# KiCad board mtt_final.kicad_pcb (continued)
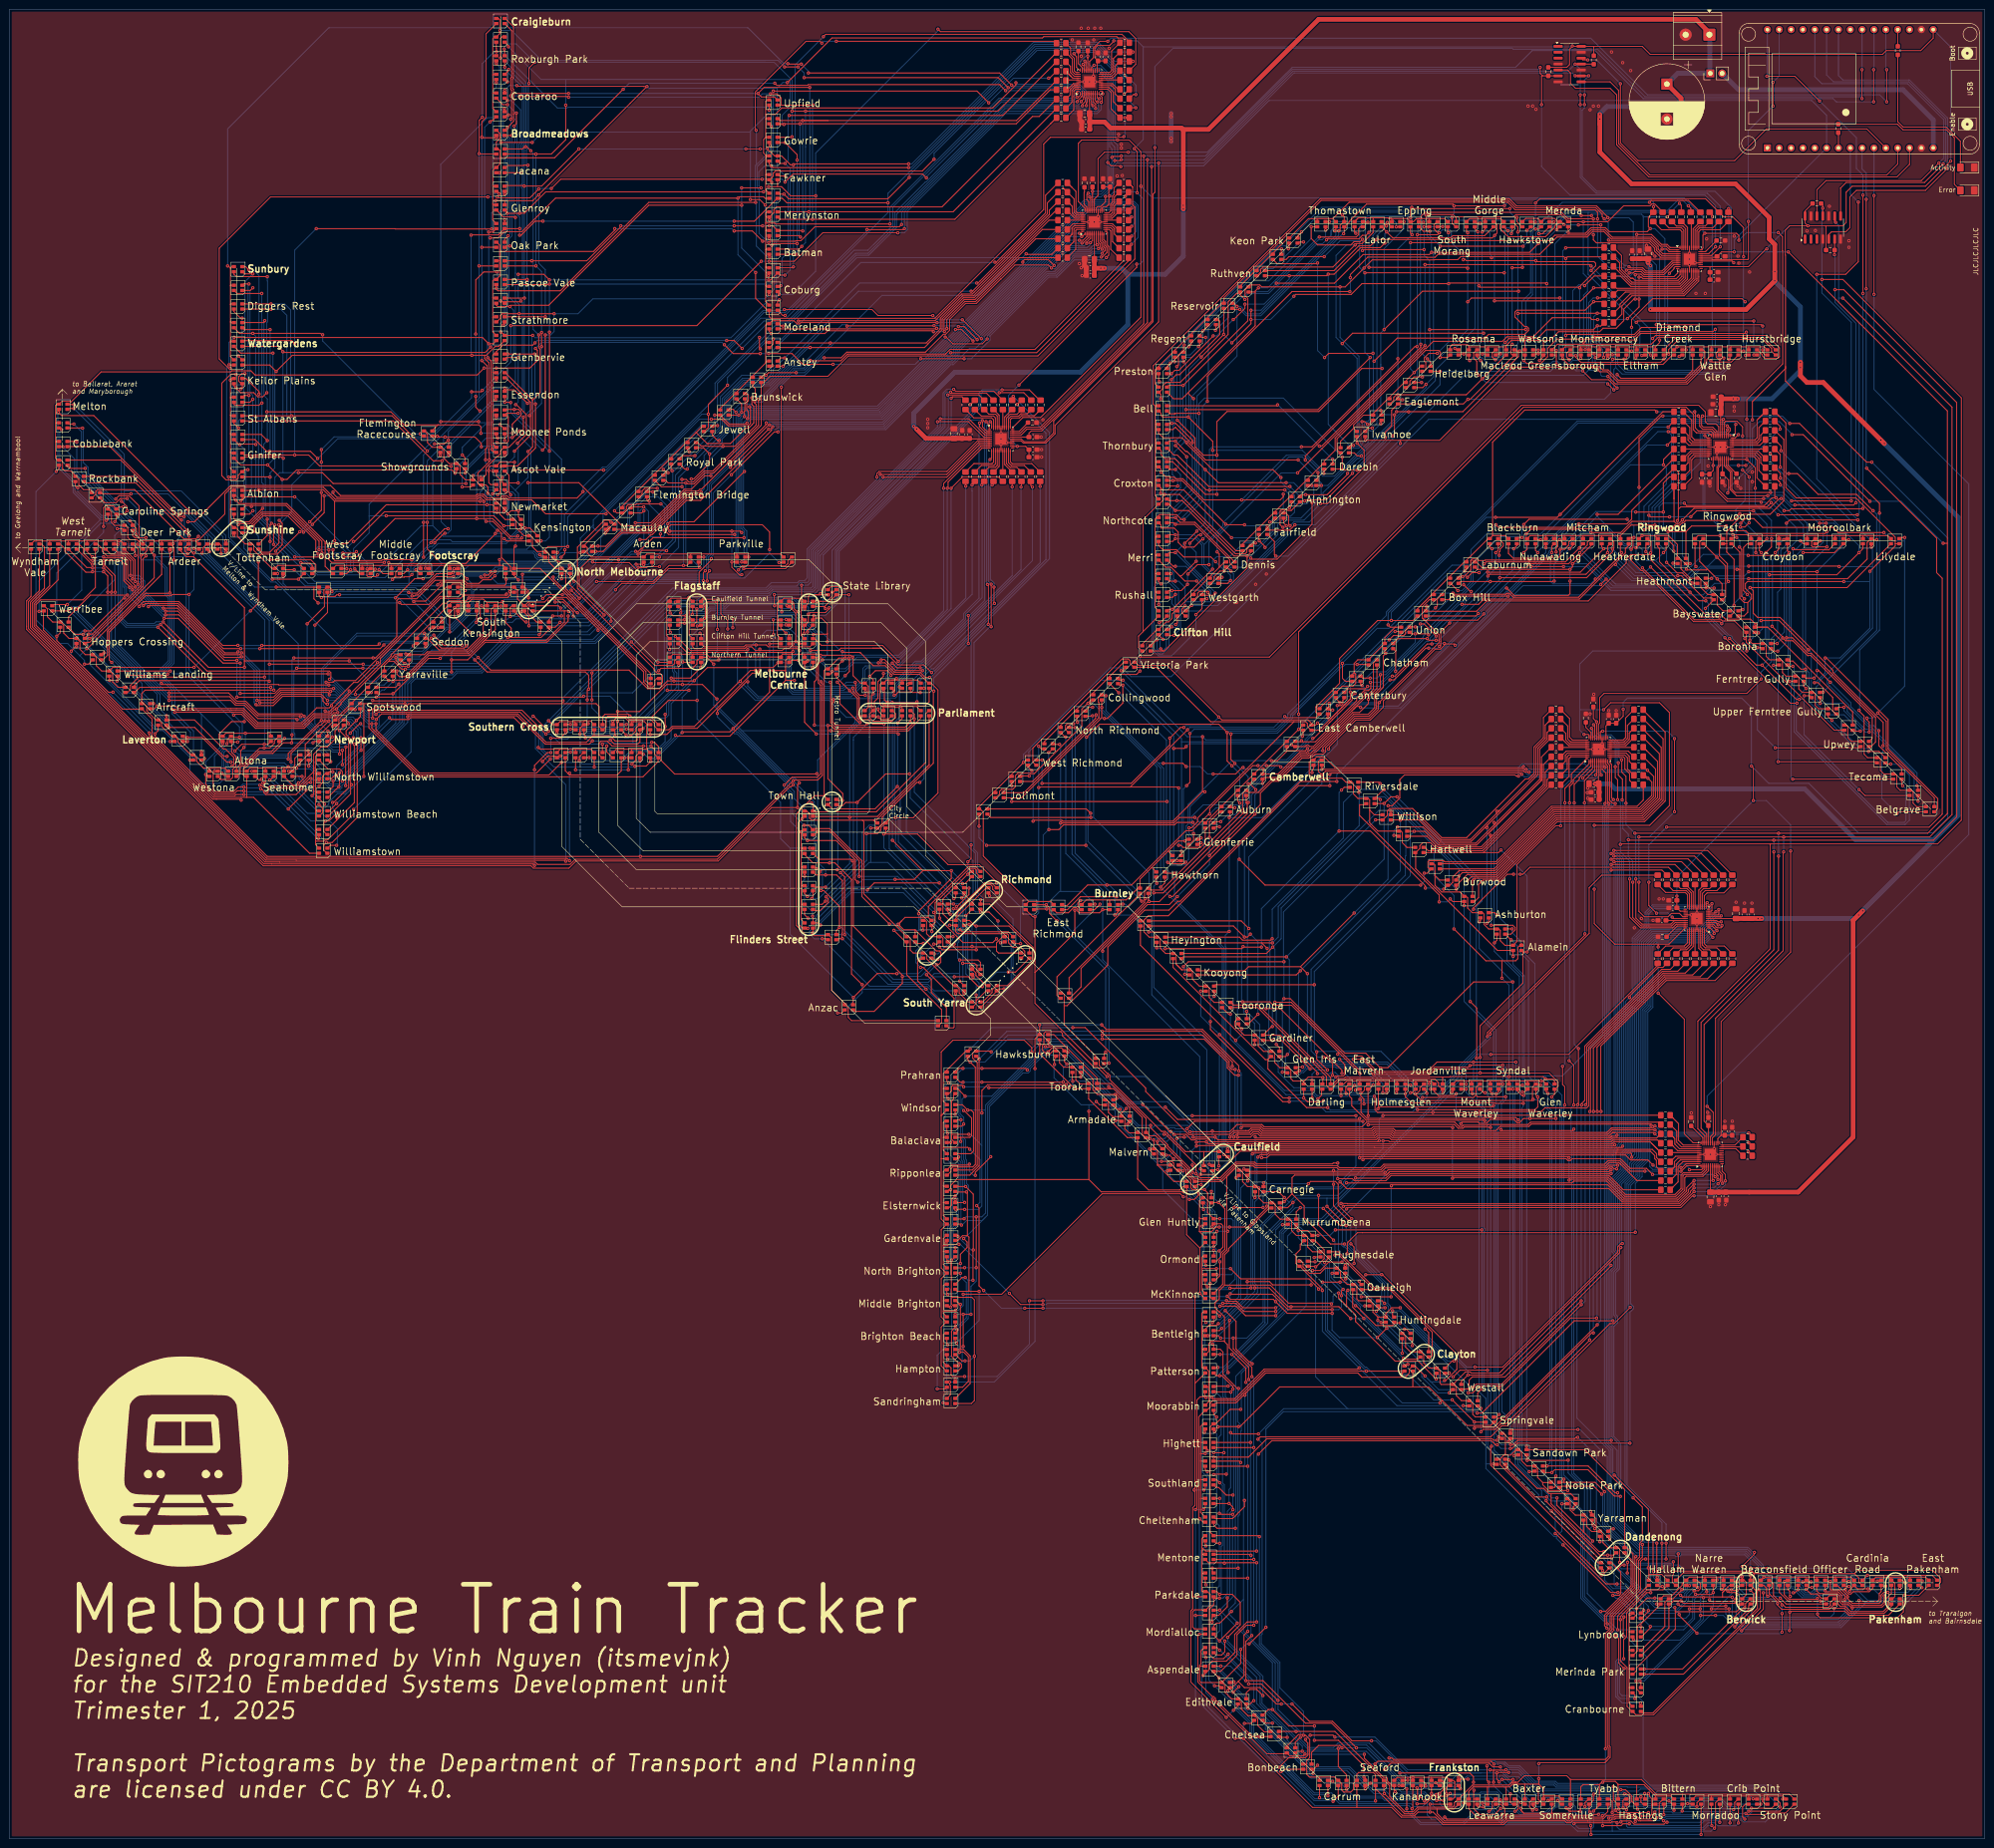
[diagram p0: board, top side]
## Routing (per net, layer and track width the routed paths; a pad name or vN(x,y) marks a point on that pad's centre or on a via; arc(x,y) is an arc through that point) (continued)
  Bottom w0.2: v1(346.2,36.5) 350.4,36.5 v1(350.5,36.4) ; v1(393.5,51.3) 393.5,48.45 392.15,47.1 373.4,47.1 372.04,48.46 v1(372.04,49.53) ; v1(318.93,220.4) v1(318.93,198.15) 321.07,196 321.07,188.28 324.4,184.96 v1(324.4,161.68) 325.3,160.77 325.3,85.3 325.3,85.3 v1(325.3,84.2) ; v1(288.33,198.58) 295.58,205.84 295.58,219.78 v1(296.2,220.4) ; v1(300.4,161.68) 295.48,166.6 284.95,166.6 284.75,166.8 278.52,166.8 v1(277.26,165.55) 278.3,166.58 v1(278.3,185.57) ; v1(342.5,45.2) 342.72,45.2 v1(344.36,43.56) ; v1(406.45,54.87) 405.47,55.86 395.68,55.86 394.95,56.59 391.78,56.59 v1(390.4,55.21)
Net-(D359-RK): length 454.2
  Top w0.2: D401.1 v1(389.3,53.19) 389.54,52.95 392.1,52.95 392.85,52.2 392.85,50.91 393.15,50.61 394.44,50.61 394.95,50.1 401.35,50.1 401.95,50.7 401.95,52.06 v1(401.98,52.09) ; v1(324.58,157.75) 318.6,157.75 318.5,157.86 300.6,157.86 299.3,159.16 v1(299.3,159.8) D377.1 ; D395.1 v1(405.3,53.7) ; R103.2 331.11,238.72 R103.2 ; R103.2 329.7,237.31 329.7,235.88 327.69,233.87 327.69,228.23 316.88,217.42 ; 316.88,217.42 316.33,216.87 ; 316.88,217.42 316.88,217.01 v1(316.77,216.9) 316.74,216.87 316.33,216.87 ; v1(341.16,48.76) 342.24,48.76 347.7,54.22 347.7,59.95 D419.1 ; 316.33,216.87 313.42,213.96 306.77,213.96 302.17,218.55 D365.1 ; v1(373.3,53.3) 374.05,52.55 374.05,50.65 373.75,50.35 D407.1 372.9,49.95 372.9,49.29 358.91,35.3 v1(350.5,35.3) D413.1 ; D359.1 317.2,196.81 v1(316.77,196.38) ; v1(346.14,47.57) 346.14,47.34 346.01,47.21 346.01,43.5 v1(346.01,43.5) ; D389.1 275.89,185.3 v1(276.78,186.19) ; D383.1 276.25,164.75 v1(276.6,164.75) ; D425.1 325.3,81.25 v1(325.4,81.16) 334.15,81.16 v1(334.2,81.2) ; D371.1 323.3,160.43 324.26,159.46 v1(324.7,159.46)
  Bottom w0.2: v1(298.23,218.5) 298.23,207.63 v1(276.78,186.19) 276.42,185.83 276.42,164.92 v1(276.6,164.75) 277.32,164.75 277.87,165.3 277.87,165.58 278.68,166.4 284.58,166.4 284.78,166.2 295.3,166.2 299.3,162.2 299.3,159.9 ; v1(373.3,53.3) 374.04,54.04 383.96,54.04 384.2,53.8 384.2,53.1 384.8,52.5 386.57,52.5 387.26,53.19 388.86,53.19 388.86,53.19 v1(389.3,53.19) ; v1(324.7,159.46) 324.58,159.34 v1(324.58,157.75) 324.58,157.08 324.28,156.78 324.28,82.28 v1(325.4,81.16) ; v1(316.77,216.9) v1(316.77,196.38) ; v1(405.3,53.7) 405.19,53.59 402.29,53.59 401.98,53.28 v1(401.98,52.09) ; v1(350.5,35.3) 351.1,35.9 351.1,38.95 346.55,43.5 v1(346.01,43.5) ; v1(346.14,47.57) 346.01,47.7 341.93,47.7 337.7,51.93 337.7,74.97 334.2,78.47 v1(334.2,81.2)
Net-(D360-BK): length 450.7
  Top w0.2: v1(306.55,200.97) 306.55,202.45 289.48,219.52 289.48,221.81 290.66,221.81 ; 354,50.27 349.79,46.06 349.55,46.06 349.03,45.54 349.03,40.24 348.09,39.3 ; 269.83,167.13 269.28,167.13 249.5,186.91 D390.2 ; 269.83,167.13 269.83,165.15 278.13,156.85 v1(282.65,156.85) ; 269.83,167.13 D384.2 ; v1(376.04,52.76) 376.04,49.24 371.4,44.6 v1(371.38,44.6) ; 350.3,237.95 354.15,234.1 354.15,222.97 350.23,219.05 331.58,219.05 318.98,206.45 313.55,206.45 v1(312.6,205.5) ; v1(317.9,159.83) 317.5,160.23 D372.2 ; v1(382.46,52.76) 382.79,52.76 v1(383.48,53.44) 383.5,53.46 D402.2 ; 293.52,160.78 293.52,156.69 v1(293.41,156.59) 293.83,157 317.93,157 v1(318.18,157.26) ; v1(353.2,50.35) D408.2 ; v1(319.3,86.2) 319.65,86.2 D426.2 ; v1(330.6,70.3) 340.7,60.2 v1(343.5,60.2) ; v1(311.88,200.17) 311.9,200.19 D360.2 309.46,201.05 v1(308.91,201.6) ; v1(357.75,50.35) 358.2,49.9 v1(368,49.9) ; v1(341,63.7) 341,63.7 341,64.85 ; D396.2 399.5,53.74 398.75,52.99 395.32,52.99 394.82,52.49 394.32,52.49 393.65,53.16 v1(393.65,53.5) ; 350.8,237.71 R108.2 350.8,237.71
  Bottom w0.2: v1(368,49.9) 368,48.2 371.25,44.95 371.25,44.73 v1(371.38,44.6) ; 376.26,52.76 v1(382.46,52.76) ; 376.26,52.76 v1(376.04,52.76) ; 376.26,52.76 376.2,52.7 ; v1(306.55,200.97) 308.28,200.97 v1(308.91,201.6) ; 393.6,53.5 v1(393.65,53.5) 393.55,53.39 390.39,53.39 389.59,52.59 387.23,52.59 386.73,52.1 384.64,52.1 383.48,53.26 v1(383.48,53.44) ; v1(357.75,50.35) v1(353.2,50.35) 352.6,50.35 343.32,59.63 343.32,61.84 341.46,63.7 v1(341,63.7) ; v1(330.6,70.3) 327.88,73.02 327.88,73.8 318.36,83.32 318.36,87.14 ; v1(293.41,156.59) 293.13,156.3 283.2,156.3 v1(282.65,156.85) ; 318.36,87.14 v1(319.3,86.2) ; 318.36,87.14 318.36,156.91 318.18,157.09 v1(318.18,157.26) 318.01,157.26 318.01,157.26 318.01,159.72 v1(317.9,159.83) 318.21,160.13 318.21,173.29 311.88,179.62 v1(311.88,200.17) 311.88,204.78 v1(312.6,205.5)
Net-(D360-GK): length 461.7
  Top w0.2: v1(321.8,87.54) 322.03,87.77 ; v1(321.8,87.54) 322.03,87.77 ; v1(321.8,87.54) D426.4 ; 322.03,87.77 v1(336.3,87.77) ; 401.49,55.26 400.5,55.26 v1(400.5,55.26) ; v1(386.28,55.1) 385.65,55.1 D402.4 384.95,55.1 v1(384.5,55.1) ; v1(293.92,222.9) 293.64,223.18 292.73,223.18 294.61,225.06 v1(294.75,225.06) ; v1(314,205.81) 314.25,206.05 319.15,206.05 331.75,218.65 350.45,218.65 354.55,222.75 354.55,235.96 R107.2 ; D360.4 313.7,205.7 313.9,205.9 ; v1(343.88,66.48) 343.33,66.48 D420.4 ; v1(357.8,61.1) v1(357.8,58.1) ; v1(320.2,161.9) 319.38,161.9 ; D390.4 269.5,189.9 v1(270.88,191.27) ; 295.19,161.9 294.46,161.17 v1(294.46,160) ; v1(358.57,53.43) 358.57,53.37 356.65,51.45 D408.4 ; D384.4 272.3,169.74 v1(271.63,170.41) ; v1(320.2,165.1) 305.71,165.1 304.4,163.79 292.62,163.79 v1(292.41,164.01) 291.31,165.1 289.16,165.1 274.82,179.44 v1(271.33,179.44) ; 355.69,51.45 354.92,50.68 354.92,45.52 D414.4
  Bottom w0.2: v1(358.57,53.43) 357.8,54.2 v1(357.8,58.1) ; v1(271.63,170.41) 271.63,179.14 v1(271.33,179.44) 271.33,190.82 v1(270.88,191.27) 272.68,193.08 272.68,199.67 293.92,220.9 v1(293.92,222.9) ; v1(336.3,87.77) 336.75,87.77 342.59,81.93 342.59,67.53 343.64,66.48 v1(343.88,66.48) 343.88,66.24 348.82,61.3 357.8,61.3 ; v1(292.41,164.01) 294.46,161.95 v1(294.46,160) ; 357.8,61.3 372.23,61.3 375.02,58.52 375.02,56.39 375.9,55.5 376.4,55.5 376.7,55.8 383.8,55.8 v1(384.5,55.1) ; 357.8,61.3 v1(357.8,61.1) ; v1(386.28,55.1) 388.46,55.1 388.96,54.61 392.04,54.61 393.63,56.19 394.78,56.19 395.97,55 400.24,55 v1(400.5,55.26) ; v1(321.8,87.54) 321.8,89.85 320,91.65 320,97 319.18,97.82 319.18,157.48 320.2,158.5 v1(320.2,161.9) v1(320.2,165.1) ; v1(314,205.81) v1(294.75,225.06)
Net-(D360-RK): length 502.7
  Top w0.2: D402.1 385.75,53.9 v1(386.45,53.9) ; v1(297.51,223.5) 296.18,223.5 v1(294.75,222.07) 292.72,222.07 ; D408.1 355.8,45.21 349.89,39.3 ; D420.1 343.1,64.55 v1(343.1,64.2) ; v1(321.39,85.19) 321.8,85.6 ; D360.1 314.15,201.05 315,201.9 315,204.7 v1(315.55,205.25) 315.94,205.64 319.31,205.64 331.87,218.2 350.6,218.2 355,222.6 355,237.4 350.3,242.1 ; D378.1 v1(295.3,160) ; v1(273.79,189.18) 251.68,189.18 D390.1 ; v1(346.88,57) 346.9,57.02 346.9,59.26 v1(346.94,59.3) ; D426.1 335.65,85.85 335.9,86.1 v1(336.27,86.1) ; v1(370.2,50.7) 370,50.5 358.92,50.5 v1(358.4,51.02) 356.82,51.02 356.15,50.35 ; D372.1 319.3,160.31 v1(318.75,159.76) ; D396.1 401.3,53 400.9,52.6 400.9,51.3 400.5,50.9 396.77,50.9 v1(396.57,51.1) ; v1(402.3,54.19) 401.46,54.19 ; v1(274.02,168.25) 273.57,167.8 D384.1
  Bottom w0.2: 340.27,69.2 340.27,82.1 v1(336.27,86.1) ; 340.27,69.2 340.27,67.99 ; 340.27,69.2 340.27,68.1 343.58,64.78 ; v1(358.4,51.02) 352.49,51.02 346.88,56.64 v1(346.88,57) ; v1(297.51,223.5) 315.71,205.3 315.71,201.14 314.51,199.94 314.51,177.75 318.75,173.51 v1(318.75,159.76) 318.78,159.73 318.78,87.79 v1(321.39,85.19) ; v1(402.3,54.19) 396.21,54.19 394.61,55.79 393.81,55.79 392.22,54.2 386.74,54.2 v1(386.45,53.9) ; v1(396.57,51.1) 396.57,49.73 392.53,45.7 372.27,45.7 370.2,47.77 v1(370.2,50.7) ; v1(346.94,59.3) 346.94,61.42 343.58,64.78 ; 343.58,64.78 343.1,64.3 v1(343.1,64.2) ; v1(294.75,222.07) 294.75,210.14 v1(273.79,189.18) 274.43,188.54 274.43,168.66 v1(274.02,168.25) 274.02,168.22 273.6,167.8 273.6,164.4 274.5,163.5 276.2,163.5 277.05,164.35 277.48,164.35 278.27,165.13 278.27,165.42 278.85,166 284.42,166 284.62,165.8 291.5,165.8 295.3,162 v1(295.3,160)
Net-(D361-BK): length 504.4
  Top w0.2: 285.1,168.6 274.89,178.8 270.97,178.8 270.25,179.53 v1(264.38,179.53) ; 285.1,168.6 v1(284.8,168.3) ; 285.1,168.6 v1(289.57,164.12) ; 264.5,191.27 264.17,190.94 v1(247.79,190.94) ; 264.5,191.27 v1(268.44,191.27) ; 264.5,191.27 v1(264.5,191.37) ; D379.2 288.8,160.8 v1(288.6,160.6) ; D367.2 286.19,225.55 v1(285.61,224.96) ; R111.2 352.95,229.47 352.95,223.47 349.74,220.27 331.1,220.27 318.48,207.65 310.8,207.65 309.45,206.3 309.45,205.15 308.85,204.55 D361.2 ; D373.2 313.5,160 v1(313.7,159.8) ; v1(388.31,50.99) 388.29,50.97 381.36,50.97 379.5,52.83 D403.2 ; 337.5,65.8 331.8,71.5 v1(331.8,73.1) ; 337.5,65.8 D421.2 ; 337.5,65.8 v1(339.45,63.85) ; v1(307.5,203.7) 308.35,204.55 ; v1(365.8,47.9) v1(362.6,47.9) ; v1(266.98,170.35) 267,170.37 D385.2 ; v1(373.5,49.1) 369.91,45.51 v1(369.91,45.44) ; v1(303.58,203.93) 303.58,204.42 291.83,216.17 v1(285.09,216.17) ; v1(363.9,52.98) 363.9,53.49 363.5,53.89 D409.2 ; v1(391.21,49.41) 393.49,49.41 394.57,48.33 401.93,48.33 403.5,49.9 D397.2 ; v1(288.6,167.9) 289.93,167.9 293.24,164.59 304.07,164.59 306.07,166.6 v1(313.9,166.6) v1(323,166.6) ; v1(348.2,42.7) 348,42.9 D415.2 ; v1(360.2,49.3) v1(362.5,49.3) ; 341.25,57.85 v1(341.6,57.5) ; D391.2 246,191.12 v1(246,191.12)
  Bottom w0.2: v1(388.31,50.99) 388.8,50.5 390.12,50.5 v1(391.21,49.41) 391.21,48.31 390.4,47.5 374.1,47.5 373.5,48.1 v1(373.5,49.1) ; v1(246,191.12) 246.18,190.94 v1(247.79,190.94) ; v1(363.9,52.98) 363.63,52.98 362.6,51.95 v1(362.6,47.9) 362.6,47.03 358.17,42.6 348.3,42.6 v1(348.2,42.7) ; v1(365.8,47.9) 367.45,47.9 v1(369.91,45.44) ; v1(266.98,170.35) 266.98,174.88 264.63,177.23 264.63,179.28 v1(264.38,179.53) 264.19,179.72 264.19,191.06 v1(264.5,191.37) ; v1(288.6,160.6) 289.57,161.57 v1(289.57,164.12) ; v1(313.7,159.8) 313.9,160 v1(313.9,166.6) ; v1(268.44,191.27) 268.44,199.52 v1(285.09,216.17) 285.09,224.44 v1(285.61,224.96) ; v1(331.8,73.1) 330.66,73.1 329.76,74 329.75,74 323.45,80.3 323.45,89.93 322.72,90.66 322.72,159.8 323,160.08 v1(323,166.6) ; v1(284.8,168.3) 285.2,167.9 v1(288.6,167.9) ; v1(339.45,63.85) 339.13,63.53 339.13,59.97 v1(341.6,57.5) 342,57.1 342,55.5 343.85,53.65 346.48,53.65 349.8,50.33 349.8,48.75 351.25,47.3 359.4,47.3 360.2,48.1 v1(360.2,49.3) ; v1(303.58,203.93) 306.52,203.93 306.75,203.7 v1(307.5,203.7)
Net-(D361-GK): length 472.4
  Top w0.2: v1(302.97,159.02) 313.92,159.02 314.42,159.52 ; v1(290.42,157.64) 290.4,157.66 290.4,158.66 289.73,159.33 v1(289.73,159.95) ; v1(387.66,48.21) 387.66,47.94 388.2,47.4 404.8,47.4 406.08,48.68 406.08,50.82 405.44,51.47 ; R110.2 353.35,231.11 353.35,223.3 349.9,219.85 331.25,219.85 318.65,207.25 311.53,207.25 v1(310.79,206.51) 310.2,205.92 D361.4 ; R110.2 351.04,233.42 R110.2 ; v1(289.73,159.95) 289.85,159.95 ; v1(289.73,159.95) 289.9,159.95 290.55,160.6 290.55,161.22 291.23,161.9 ; 314.42,159.52 314.78,159.16 v1(320.8,159.16) ; 314.42,159.52 314.42,161.13 315.19,161.9 ; v1(339.9,66.5) 340.2,66.8 340.2,68.62 339.37,69.45 ; D427.4 343.5,59.2 344.7,58 ; 335.4,152.1 335.21,151.91 319.89,151.91 319.78,152.02 v1(319.78,152.11) ; v1(270.79,174.23) 270.63,174.23 D385.4 272.45,172.4 280.45,164.4 v1(280.45,164.14) ; v1(343.79,52.21) 345.12,52.21 345.48,52.57 345.48,57.22 344.7,58 ; v1(339,70.2) 339.3,69.9 D421.4 ; v1(346.2,58.7) 345.7,58.7 345,58 344.7,58 ; v1(366.1,55.5) 365.35,55.5 ; D403.4 380.85,55.45 v1(380.6,55.2) 380.53,55.13 380.53,52.36 381.52,51.37 387.46,51.37 v1(387.66,51.57) ; v1(270.75,193.07) 270.44,192.76 264.39,192.76 263.75,193.4 D391.4 ; v1(349.8,45.46) 349.8,45.45 D415.4 ; v1(293.87,226.37) 293.59,226.65 D367.4
  Bottom w0.2: v1(339.9,66.5) 340.6,65.8 340.6,65.2 346.2,59.6 v1(346.2,58.7) 358.05,58.7 358.4,58.35 358.4,56.53 359.63,55.3 365.9,55.3 v1(366.1,55.5) 366.38,55.79 370.61,55.79 371.56,54.84 380.24,54.84 v1(380.6,55.2) ; v1(270.79,174.23) 270.79,178.14 270.27,178.66 270.27,191.25 270.14,191.37 270.14,192.46 v1(270.75,193.07) 270.75,199.39 286.01,214.65 286.01,222.31 288.8,225.1 293.84,225.1 294.11,224.83 ; v1(290.42,157.64) 290.62,157.84 301.79,157.84 v1(302.97,159.02) ; v1(335.4,152.2) 335.4,78.4 339,74.8 v1(339,70.2) ; v1(280.45,164.14) 283.16,164.14 283.4,164.38 284.27,164.38 285,163.65 285,162.7 287.75,159.95 v1(289.73,159.95) ; v1(319.78,152.11) 319.78,152.18 319.9,152.3 319.9,157.63 320.8,158.53 v1(320.8,159.16) ; v1(387.66,48.21) v1(387.66,51.57) ; v1(343.79,52.21) 344.42,51.58 344.9,51.58 349.8,46.68 v1(349.8,45.46) ; v1(310.79,206.51) 310.79,208.15 294.11,224.83 ; 294.11,224.83 293.9,225.04 293.9,225.58 293.87,225.61 v1(293.87,226.37)
Net-(D361-RK): length 478.1
  Top w0.2: D421.1 339.3,67.54 v1(339.6,67.24) ; v1(292.4,161.7) 291.5,160.8 ; v1(278.87,165.13) 278.87,165.16 272.78,171.24 v1(270.79,171.24) 268.86,171.24 ; v1(351.82,45.53) 351.82,45.23 349.89,43.3 ; 247.93,192.17 268.5,192.17 ; 268.5,192.17 v1(269.67,191) ; 268.5,192.17 v1(270.79,192.17) ; v1(317.58,152.6) 317.52,152.66 311.88,152.66 311.62,152.4 310.63,152.4 309.84,153.2 291.52,153.2 291.45,153.12 v1(291.32,153.12) ; D361.1 310.2,203.73 v1(310.23,203.7) ; D367.1 289.2,224.59 v1(289.33,224.46) ; v1(291.32,155.12) 291.32,155.8 291.3,155.82 D379.1 ; v1(364.9,49.3) v1(368.7,49.3) ; v1(381.65,44.65) 381.7,44.7 v1(381.7,48.6) 381.91,48.81 393.52,48.81 394.41,47.93 402.88,47.93 D397.1 ; D403.1 381.3,53.5 381.7,53.1 381.7,52.09 v1(381.82,51.97) ; D409.1 v1(365.3,52.8) 364.88,52.38 361.58,52.38 v1(361.51,52.45) ; v1(317.76,84.2) 317.59,84.03 317.59,80.15 341.15,56.59 v1(341.4,56.59) 341.54,56.59 D427.1 ; R109.2 353.75,232.76 353.75,223.14 350.06,219.45 331.42,219.45 318.82,206.85 312.56,206.85 310.27,204.55 ; D373.1 316.08,160.02 v1(316.4,160.02)
  Bottom w0.2: 289.4,223.53 289.4,217.34 272.05,199.98 272.05,193.43 v1(270.79,192.17) ; 289.4,223.53 289.4,224.39 v1(289.33,224.46) ; 289.4,223.53 294.81,223.53 308.66,209.68 308.66,205.27 v1(310.23,203.7) ; v1(269.67,191) 269.67,178.69 270.03,178.33 270.03,172 v1(270.79,171.24) ; v1(364.9,49.3) 365.3,49.7 v1(365.3,52.8) ; v1(368.7,49.3) 368.7,48.13 371.93,44.9 381.4,44.9 v1(381.65,44.65) ; v1(339.6,67.24) 338.73,66.37 338.73,58.12 340.63,56.23 ; v1(361.51,52.45) 360.9,51.84 360.9,47.33 359.1,45.53 v1(351.82,45.53) 345.13,52.22 344.63,52.22 340.63,56.23 ; v1(381.7,48.6) 381.7,51.85 v1(381.82,51.97) ; v1(316.4,160.02) 317.58,158.84 317.58,85.21 317.76,85.03 v1(317.76,84.2) ; v1(278.87,165.13) 279.84,165.13 280.31,165.6 284.25,165.6 284.45,165.4 290.1,165.4 292.4,163.1 v1(292.4,161.7) ; 340.63,56.23 341,56.6 341.4,56.6 ; v1(291.32,155.12) v1(291.32,153.12)
Net-(D362-BK): length 457.5
  Top w0.2: D398.2 380.95,50.35 v1(379.69,51.62) ; v1(309.25,160.05) 309.5,160.3 D374.2 ; 348.11,47.3 348.88,48.07 348.88,49.32 v1(348.85,49.35) 351.12,51.62 v1(352.78,51.62) ; D386.2 263.5,174.48 v1(264.23,173.75) ; v1(370.4,53.27) 369.33,53.27 v1(369.2,53.4) ; v1(292.66,159.26) 292.8,159.12 292.8,156.35 293.35,155.8 v1(305.2,155.8) v1(314.3,155.8) ; D368.2 279.6,229.48 279.3,229.18 v1(279.3,228.7) ; v1(318.19,80.39) 318.61,80.39 ; R114.2 350.3,222.8 348.97,221.47 330.6,221.47 318.68,209.55 307.75,209.55 307.5,209.8 304.38,209.8 304.15,209.57 304.15,208.35 304.45,208.05 D362.2 303.97,207.12 v1(303.34,207.12) ; v1(285.5,159.4) D380.2 ; v1(344.88,52.82) 343.31,52.82 v1(333.1,63.03) ; v1(332.86,71.84) 333.99,71.84 ; D392.2 242.5,191.68 v1(262.92,171.25) ; D404.2 376.13,54.35 376.74,53.74 376.74,52.26 v1(377,52) ; v1(263.68,210.11) 269.22,204.57 v1(302.57,204.57) ; v1(360.2,54.3) 359.55,54.3
  Bottom w0.2: 316.56,80.4 316.56,79.42 331.17,64.81 331.7,64.81 ; 316.56,80.4 316.56,94.44 315.1,95.9 315.1,155 v1(314.3,155.8) ; 316.56,80.4 316.56,80.39 v1(318.19,80.39) ; v1(352.78,51.62) 358.62,51.62 359.18,52.18 359.18,52.62 359.7,53.14 359.7,53.8 v1(360.2,54.3) 360.4,54.5 367.9,54.5 369,53.4 v1(369.2,53.4) ; 331.7,64.81 332.86,65.97 v1(332.86,71.84) ; 331.7,64.81 331.7,64.43 v1(333.1,63.03) ; v1(370.4,53.27) 371.87,51.8 376.8,51.8 v1(377,52) 379.3,52 v1(379.69,51.62) ; v1(303.34,207.12) 303.34,205.34 v1(302.57,204.57) ; v1(305.2,155.8) 305.2,156 v1(309.25,160.05) ; v1(344.88,52.82) 345.75,52.82 348.85,49.72 v1(348.85,49.35) ; v1(279.3,228.7) 278.82,228.7 263.68,213.56 v1(263.68,210.11) 263.32,209.75 263.32,174.67 v1(264.23,173.75) 264.23,172.56 v1(262.92,171.25) 262.92,170.96 273.38,160.5 279.27,160.5 280.37,159.4 v1(285.5,159.4) 285.64,159.26 286.87,159.26 287.16,159.55 289.25,159.55 289.54,159.26 v1(292.66,159.26)
Net-(D362-GK): length 506.8
  Top w0.2: v1(320.2,165.95) 313.25,165.95 v1(313.15,165.85) 312.8,165.5 305.54,165.5 304.23,164.19 293.07,164.19 290.06,167.2 v1(288.15,167.2) ; 380.07,50.37 380.07,50.17 v1(380.05,50.15) ; 380.07,50.37 378.22,52.22 378.22,54.67 377.43,55.45 ; 380.07,50.37 380.79,49.65 390.02,49.65 390.42,50.05 390.42,50.68 391.19,51.45 ; v1(325.84,228.8) 324.9,228.8 324.7,229 282.2,229 v1(281.4,228.2) 280.65,228.95 280.65,231.1 280.95,231.4 D368.4 ; D392.4 264.1,196.9 v1(265.74,195.26) ; 330.55,74 330.55,71.85 340.8,61.6 v1(341.9,61.6) ; v1(285.2,167.2) 286.31,166.09 286.31,163.91 286,163.6 284.6,163.6 v1(284.4,163.4) ; D362.4 318.85,209.15 330.77,221.07 349.41,221.07 352.14,223.8 352.14,226.66 350.69,228.11 ; D386.4 265.3,177.44 v1(265.26,177.48) ; v1(361.2,53.2) 362.11,53.2 362.56,53.65 362.56,54.74 361.85,55.45 D410.4 ; v1(286.62,159.86) 286.52,159.96 286.52,161.23 287.19,161.9 ; v1(358,48.1) 358,47.9 v1(361.8,44.1) ; D428.4 321.3,81.4 v1(321.45,81.25) 327.54,75.16 328.96,75.16 330.07,74.05 334.7,74.05 D422.4 ; v1(380.05,44.3) v1(380.05,48.3) ; D374.4 v1(312.3,161.9) ; D416.4 v1(350.4,49)
  Bottom w0.2: v1(281.4,228.2) 281.4,226.28 265.74,210.63 v1(265.74,195.26) 265.44,194.95 265.44,177.66 v1(265.26,177.48) 268.09,174.65 268.09,170.5 272.04,166.55 272.04,164.45 275.38,161.1 284.1,161.1 ; v1(312.3,161.9) 312.3,165 v1(313.15,165.85) ; 321.72,162.43 321.72,90.53 322.47,89.78 322.47,83.2 321.45,82.18 v1(321.45,81.25) ; 321.72,162.43 321.03,163.13 ; 321.72,162.43 321.03,163.13 ; v1(358,48.1) 358,48.4 357.66,48.74 ; 357.66,48.74 359.98,51.07 359.98,51.98 v1(361.2,53.2) ; 357.66,48.74 357.26,48.35 351.05,48.35 v1(350.4,49) 350.4,50.3 346.65,54.05 344.42,54.05 344.07,54.4 344.07,57.75 341.9,59.92 v1(341.9,61.6) ; v1(286.62,159.86) 285.38,161.1 284.1,161.1 ; v1(380.05,50.15) v1(380.05,48.3) ; 321.03,163.13 320.9,163.25 320.9,165.25 v1(320.2,165.95) ; v1(288.15,167.2) v1(285.2,167.2) ; 284.1,161.1 284.06,161.14 284.06,163.06 v1(284.4,163.4) ; v1(351.3,227.5) 350,228.8 v1(325.84,228.8) ; v1(380.05,44.3) 379.75,44 361.9,44 v1(361.8,44.1)
Net-(D362-RK): length 475.1
  Top w0.2: v1(329.6,73.31) 329.6,73.3 327.1,73.3 321.04,79.36 v1(321.04,79.64) 320.7,79.98 D428.1 ; 335.8,71.65 335.3,71.15 v1(335.3,70.7) ; v1(325.2,229.4) 281.42,229.4 v1(281.41,229.39) 281.41,230.29 ; v1(344.67,54.65) 342.33,54.65 331.53,65.45 v1(331.44,65.45) ; D362.1 318.32,208.05 330.93,220.67 349.58,220.67 352.55,223.63 352.55,227.87 v1(351.21,229.21) R112.2 ; D410.1 361.75,53.9 v1(361.96,53.9) ; v1(368.43,53.12) 368.75,52.8 370.02,52.8 370.4,52.42 v1(370.4,52.4) ; v1(269.43,178.08) 272.47,178.08 285.71,164.84 v1(285.71,164.2) ; D380.1 287.3,159.3 287.8,158.8 287.8,157.23 290.91,154.12 316.09,154.12 316.16,154.2 316.31,154.05 v1(316.31,154.06) ; 349.94,47.3 351.39,48.75 v1(351.39,48.95) ; v1(312.3,160.8) D374.1 ; 265.63,174.8 v1(267.69,176.86) ; v1(288.4,161.61) 287.59,160.8 ; v1(266.07,194.05) 265.44,193.42 v1(264.8,193.42) 262.42,195.8 D392.1 ; D398.1 390.16,49.21 379.99,49.21 379.09,50.11 v1(379.09,50.49) 379.09,50.77 377.31,52.56 377.3,52.56 D404.1
  Bottom w0.2: v1(335.3,70.7) 335.3,71.05 333.91,72.44 331.3,72.44 ; v1(331.44,65.45) 331.44,72.4 331.48,72.44 331.8,72.44 331.3,72.44 ; v1(288.4,161.61) 288.4,162.15 286.35,164.2 v1(285.71,164.2) ; v1(370.4,52.4) 371.4,51.4 378.1,51.4 ; 331.3,72.44 330.47,72.44 v1(329.6,73.31) ; v1(379.09,50.49) 379.01,50.49 378.2,51.3 ; v1(266.07,194.05) 267.69,192.43 267.69,178.08 ; 267.69,178.08 v1(269.43,178.08) ; 267.69,178.08 v1(267.69,176.86) ; v1(344.67,54.65) 346.61,54.65 351.39,49.87 v1(351.39,48.95) 357.29,48.95 359.58,51.24 359.58,52.45 361.03,53.9 v1(361.96,53.9) 362.16,54.1 367.45,54.1 v1(368.43,53.12) ; 378.1,51.4 378.2,51.3 ; 378.1,51.4 378.2,51.3 ; v1(351.21,229.21) 338.39,229.21 338.2,229.4 v1(325.2,229.4) ; v1(321.04,79.64) 320.94,79.74 320.94,80.17 316.96,84.15 316.96,96.09 316.11,96.94 316.11,130.15 316.31,130.35 316.31,130.85 316.11,131.05 316.11,153.76 316.31,153.96 v1(316.31,154.06) 316.3,154.07 316.3,155.36 316.31,155.37 316.31,155.87 316.3,155.88 316.3,156.12 312.3,160.12 v1(312.3,160.8) ; v1(281.41,229.39) 264.8,212.79 v1(264.8,193.42)
Net-(D433-BK): length 478.5
  Top w0.2: 320.91,89.89 320.91,89.79 ; 320.91,89.89 320.82,89.8 319.92,89.8 318.37,88.25 314.29,88.25 v1(314.09,88.05) ; 320.91,89.89 320.91,90.17 339.24,108.5 v1(339.6,108.5) ; D445.2 279.88,124.8 v1(279.75,124.67) ; 256.36,43.86 v1(255.14,43.86) 254.8,43.52 254.8,33.61 257.95,30.47 258.22,30.47 258.57,30.11 258.57,29.84 266.51,21.9 v1(268,21.9) D481.2 ; 292.9,10.8 D475.2 ; 292.9,10.8 v1(292.9,8.1) ; 292.9,10.8 292.9,10.71 298.6,5.01 301.35,5.01 302.03,5.7 v1(304.6,5.7) 305.25,5.7 307.55,3.4 320.16,3.4 320.99,4.23 333.64,4.23 334.07,3.81 334.54,3.81 334.94,4.21 341.68,4.21 342.47,5 343.9,5 344.1,5.2 348.2,5.2 348.2,5.2 348.52,5.2 349.49,4.23 349.53,4.23 349.53,4.24 351.94,4.24 352.77,5.07 v1(352.77,5.7) ; D469.2 v1(304.6,7.4) ; 332.6,7.4 331.95,8.05 v1(331.95,8.2) ; v1(298.4,99.6) D439.2 v1(290.93,100.3) 269.2,100.3 262.9,94 258.03,94 257.45,93.42 257.45,92.58 256.77,91.9 D499.2 255,90.5 255,68.85 v1(255.25,68.6) 255.95,67.9 D493.2 ; D433.2 314.13,89.35 v1(314.09,89.39) v1(309.34,94.14) ; v1(356.9,6.1) D457.2 356.51,7.4 v1(355.8,8.11) ; 380.9,7.19 379.61,5.9 v1(372.92,5.9) ; v1(339.65,156) 339.6,156.05 339.6,169.59 354.9,184.89 362.49,184.89 R118.2
  Bottom w0.2: 255.3,68.6 255.14,68.44 v1(255.14,43.86) ; v1(314.09,89.39) v1(314.09,88.05) ; v1(331.95,8.2) 332.05,8.2 332.1,8.15 346.82,8.15 347.32,8.65 348.48,8.65 348.98,8.15 350.75,8.15 ; v1(268,21.9) 268,21.59 279.79,9.8 283.5,9.8 285.4,7.9 292.6,7.9 292.8,8.1 v1(292.9,8.1) ; v1(352.77,5.7) 353.38,6.31 356.9,6.31 v1(356.9,6.1) ; v1(298.4,99.6) 299.9,99.6 305.4,94.1 309.4,94.1 ; v1(290.93,100.3) 282.2,109.03 282.2,122.44 279.97,124.67 v1(279.75,124.67) ; v1(339.65,156) 339.6,155.95 v1(339.6,108.5) ; 350.8,8.11 v1(355.8,8.11) 366.97,8.11 368.21,6.88 370.14,6.88 370.6,6.41 372.4,6.41 v1(372.92,5.9) ; v1(304.6,7.4) v1(304.6,5.7)
Net-(D433-GK): length 470.4
  Top w0.2: 319.4,97.11 315.2,97.11 313.73,95.64 v1(312.77,95.64) ; 319.4,97.11 320.12,97.11 334.72,111.7 v1(340.3,111.7) ; 319.4,97.11 v1(319.4,96.7) ; D451.4 381.65,9.55 358.7,9.55 ; v1(303.51,99.26) 301.38,101.4 D439.4 ; 265.18,95.72 264.9,95.43 v1(264.9,95.15) ; 265.18,95.72 262.97,93.5 258.7,93.5 D499.4 ; 265.18,95.72 269.37,99.9 289.1,99.9 290,99 299.26,99 300.15,99.88 300.15,100.72 300.83,101.4 ; v1(340.45,156) 340.4,156.05 340.4,169.82 355.07,184.49 364.09,184.49 R117.2 ; 310.6,8.5 309.8,7.7 309.8,7.13 309.42,6.75 301.95,6.75 301.02,5.82 299.21,5.82 295.93,9.1 295.93,11.34 294.77,12.5 ; D469.4 313.7,11.5 321.5,11.5 322.1,12.1 ; D481.4 275.85,23 v1(275.88,22.98) 275.9,23 284.2,23 D475.4 ; 334.7,12.7 349.92,12.7 353.07,9.55 358.7,9.55 ; 334.7,12.7 333.9,13.5 328.15,13.5 328.15,13.5 327.65,13.5 327.65,13.5 324.8,13.5 323.4,12.1 323.03,12.1 323.03,12.1 322.1,12.1 322.1,12.1 ; 334.7,12.7 D463.4 ; 322.1,12.1 323,12.1 ; 358.7,9.55 D457.4 ; D445.4 284.95,125.9 292.65,118.2 296.1,118.2 310.34,103.97 310.34,100.69 307.95,98.3 v1(307.7,98.3) ; D433.4 318.85,90.45 v1(319.4,91) ; D493.4 258.51,68.69 262.27,68.69 264.8,71.22 v1(264.8,72.57) ; D487.4 258.2,45.63 258.82,46.25 259.52,46.25 v1(262.01,48.75)
  Bottom w0.2: 264.6,51.34 264.6,72.57 v1(264.8,72.57) 264.6,72.77 264.6,80 264.9,80.3 v1(264.9,95.15) ; 264.6,51.34 v1(262.01,48.75) ; 264.6,51.34 264.6,44.49 271.39,37.7 271.39,27.51 275.9,23 ; v1(312.77,95.64) 312.09,96.31 306.46,96.31 304.04,98.74 ; 304.04,98.74 v1(303.51,99.26) ; 304.04,98.74 304.78,98 307.4,98 v1(307.7,98.3) ; v1(319.4,91) v1(319.4,96.7) ; v1(340.3,111.7) 340.4,111.8 340.4,155.95 v1(340.45,156)
Net-(D433-RK): length 466.3
  Top w0.2: 306.1,6.35 309.65,6.35 D469.1 ; 306.1,6.35 306.1,5.42 307.72,3.8 319.99,3.8 320.83,4.64 334.09,4.64 v1(334.29,4.44) ; 306.1,6.35 302.12,6.35 301.18,5.42 299.05,5.42 v1(294.8,9.67) 294.7,9.76 D475.1 ; D439.1 300.9,96.92 ; 300.9,96.92 272.37,96.92 263.86,88.41 v1(263.53,88.41) 259.21,88.41 v1(259.13,88.32) ; 300.9,96.92 304.28,96.92 307.21,93.99 ; D457.1 358.7,6 358.65,5.95 v1(358.65,5.94) ; v1(351.4,5.6) 344.8,5.6 v1(344.3,6.1) ; D463.1 334.7,6.73 334.62,6.65 v1(334.62,6.6) ; v1(340.44,110.26) 320.38,90.2 319.2,90.2 319.2,90.18 318.37,89.35 ; v1(273.97,21.74) 272.36,21.74 ; D451.1 380.8,5.5 376.9,5.5 376.6,5.2 372.6,5.2 372.4,5.4 v1(372.29,5.4) ; 307.21,93.99 v1(306.73,93.5) ; 307.21,93.99 312.55,88.65 317.6,88.65 D433.1 ; R116.2 365.69,184.09 355.24,184.09 341.2,170.05 341.2,156.05 v1(341.25,156) ; v1(262.84,66.59) 258.91,66.59 258.2,67.3 D493.1 ; v1(258.82,90.45) 258.2,91.07 D499.1 ; 258.2,43.69 v1(259.46,42.43) 263.25,46.22 v1(263.25,46.25) ; v1(281.97,123.65) 282.9,124.58
  Bottom w0.2: v1(351.4,5.6) 351.9,5.1 353.2,5.1 353.85,5.75 356.4,5.75 356.65,5.5 358.21,5.5 v1(358.65,5.94) 358.77,5.82 369.22,5.82 369.64,5.4 v1(372.29,5.4) ; v1(259.13,88.32) 259.13,88.72 258.82,89.03 v1(258.82,90.45) ; v1(341.25,156) 341.2,155.95 341.2,111.1 340.4,110.3 ; v1(263.25,46.25) 263.1,46.4 263.1,46.6 261.41,48.29 261.41,49.11 262.84,50.54 v1(262.84,66.59) 262.84,69.06 262.8,69.1 263.33,69.63 263.33,88.21 v1(263.53,88.41) ; 338.83,6.53 338.29,5.98 338.29,5.01 338.3,5 337.74,4.44 v1(334.29,4.44) 334.29,6.27 v1(334.62,6.6) ; 338.83,6.53 339.1,6.53 ; 338.83,6.53 339.1,6.53 ; v1(259.46,42.43) 259.61,42.43 267.4,34.64 267.4,29.03 273.97,22.46 v1(273.97,21.74) 273.97,21.11 280.04,15.03 287.2,15.03 292.57,9.67 v1(294.8,9.67) ; 339.1,6.53 343.87,6.53 v1(344.3,6.1) ; v1(281.97,123.65) 281.97,123.24 282.6,122.61 282.6,109.19 283.05,108.75 283.05,108.75 289.9,101.9 289.9,101.9 290.7,101.1 291,101.1 298.6,93.5 v1(306.73,93.5)
